# Altium PCB OnePiece_Board.PcbDoc (part 1 of 2)
Units mm, origin at the board's own origin, x right, y up, seen from the top; angles counter-clockwise.
Board outline 95.12 x 76.58 mm, 2 copper layers (Top Layer, Bottom Layer); 79 components, 112 nets, 380 pads, 690 vias.
Unrouted connection lines stored in the file: 1.
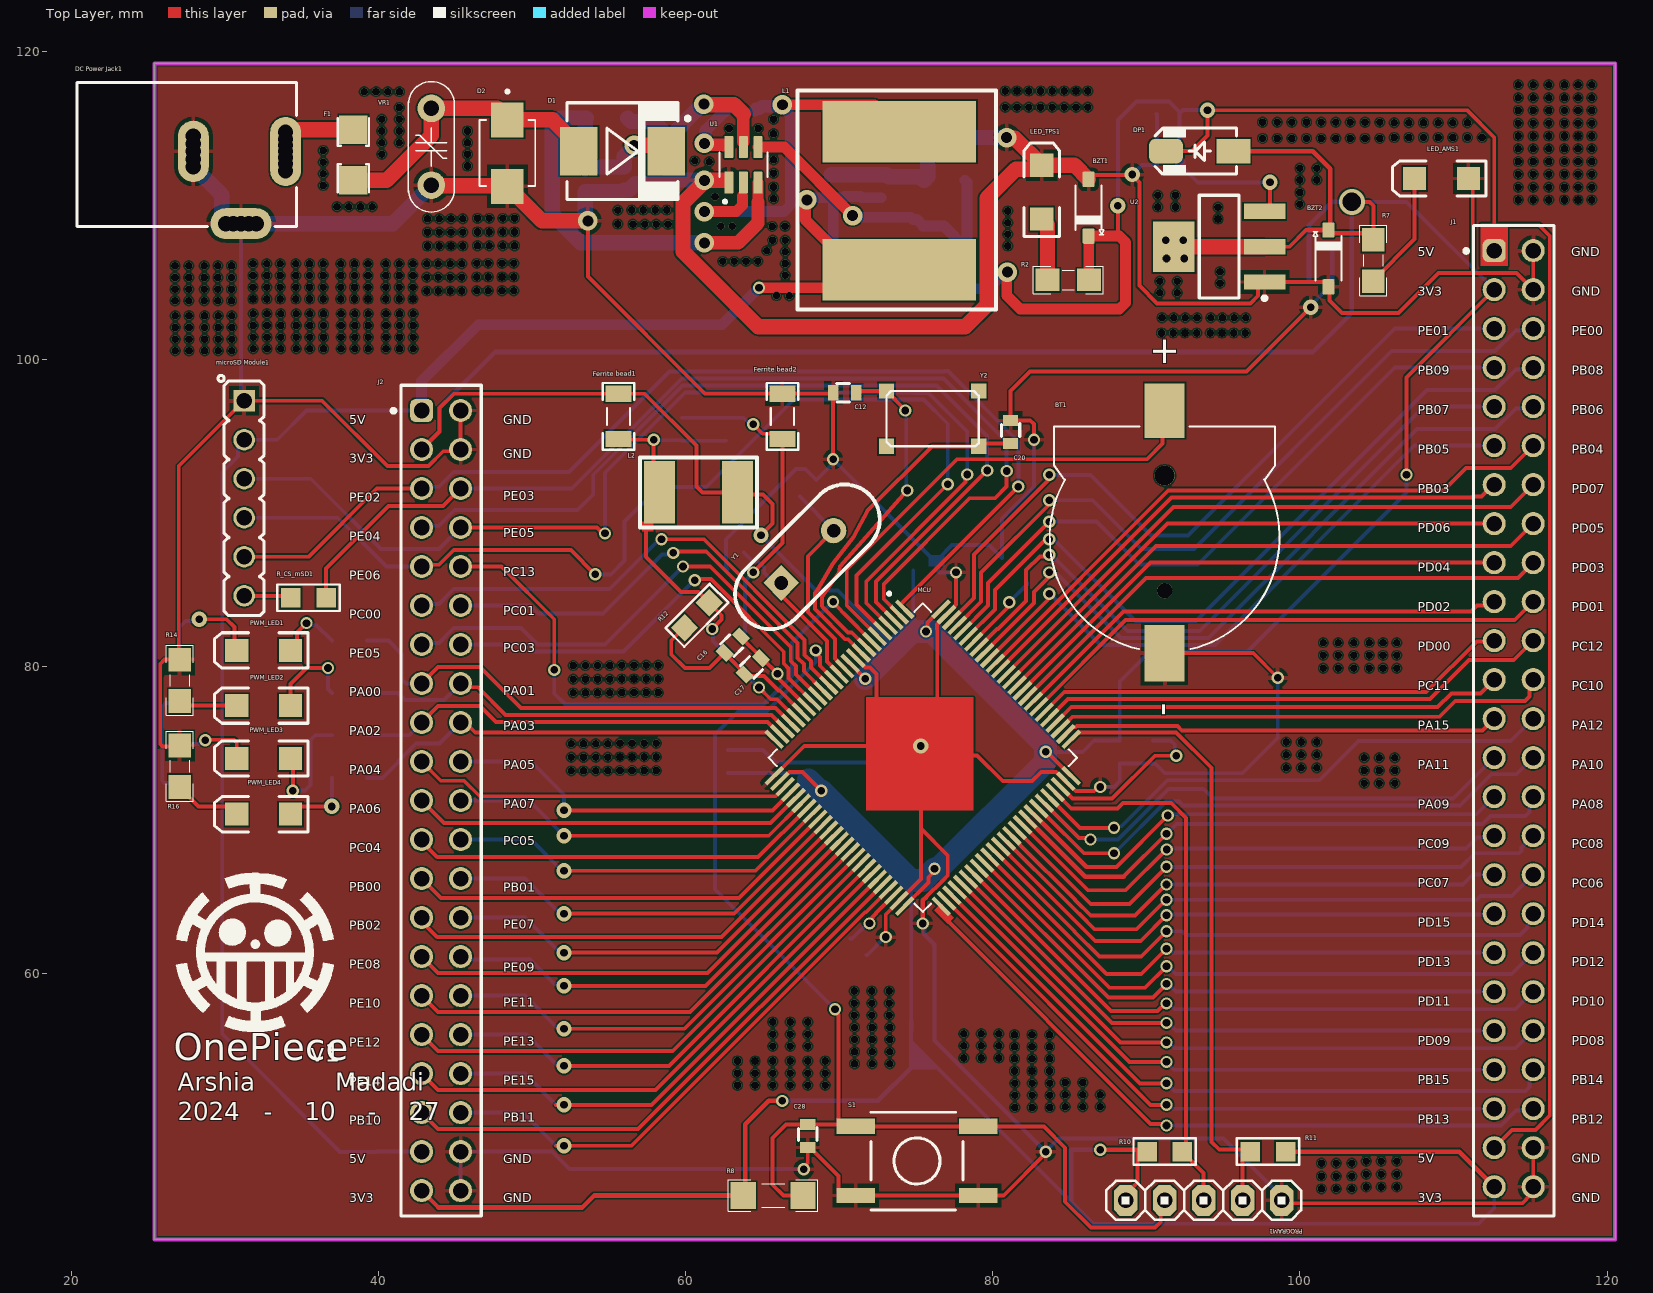
[diagram p0: Top Layer view]
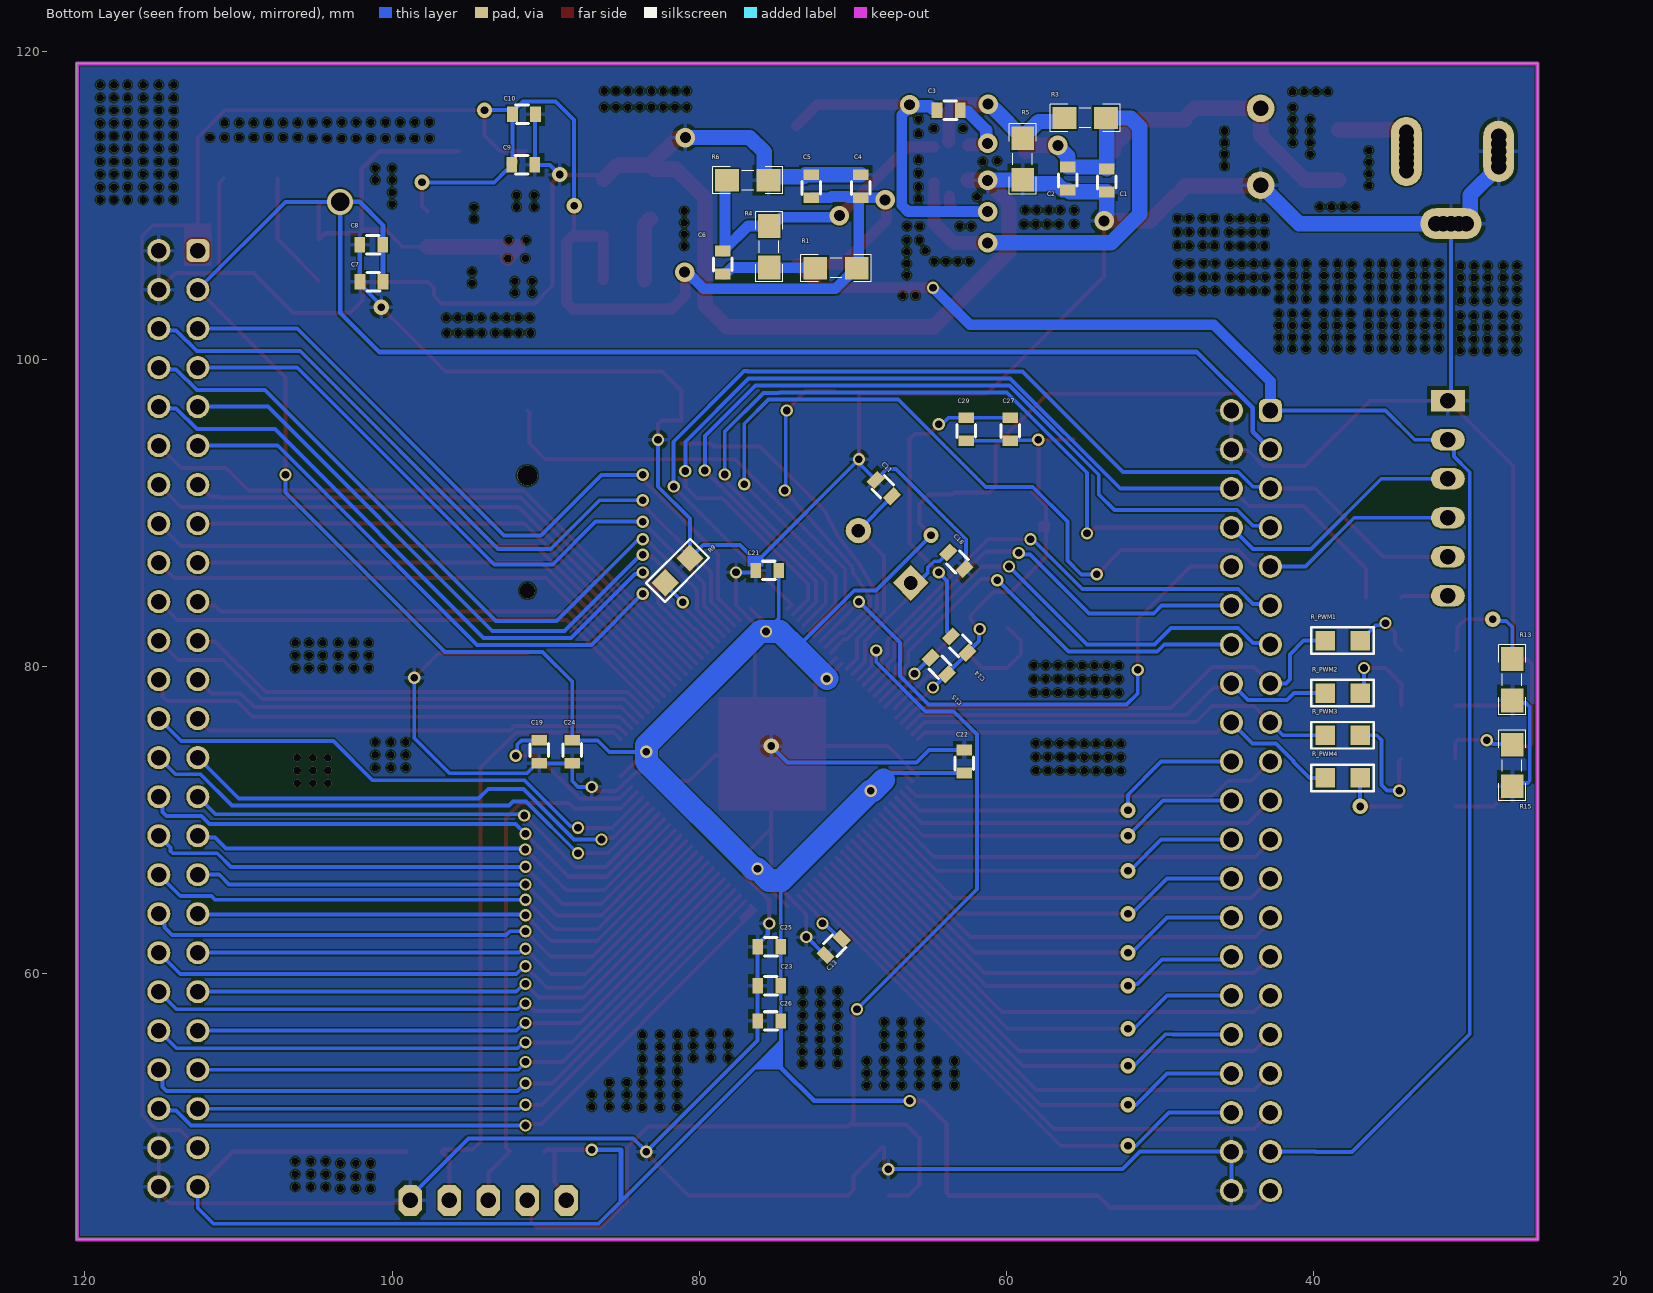
[diagram p1: Bottom Layer view, seen from below]

## Layer stack, top to bottom
Top Solder: solder mask 0.0102, Solder Resist, Dk 3.5
Top Layer: signal copper 0.0356
Dielectric 1: dielectric 0.32, FR-4, Dk 4.8
Bottom Layer: signal copper 0.0356
Bottom Solder: solder mask 0.0102, Solder Resist, Dk 3.5

## Board outline
25.4,42.672 25.4,119.253 120.523,119.253 120.523,42.672

## Design rules (kind name [scope] priority, off if disabled: settings)
Clearance [All] p1: gap=0.1 ignorepadtopadclearanceinfootprint=FALSE
PolygonConnect [All] p1: connectstyle=Relief reliefconductorwidth=0.254 reliefentries=4 polygonreliefangle="90 Angle" airgapwidth=0.254
RoutingVias [All] p1: holewidth=0.5 width=0.8 viastyle="Through Hole" minholewidth=0.4 minwidth=0.4 maxholewidth=0.8 maxwidth=2
SolderMaskExpansion [All] p1: expansion=0.102 istentingtop=FALSE
Width [All] p1: maxlimit=2.5 minlimit=0.254 preferedwidth=0.3 minimp=50.000000 maximp=50.000000 favimp=50.000000
30 further rules are at their usual default settings.

## Classes and differential pairs
polygon class PolygonClass_1: GND_L01_P000
component class Power: BZT2 C1 C2 C3 C4 C5 C6 C7 C8 C9 C10 D1 D2 "DC Power Jack1" DP1 F1 L1 LED_AMS1 LED_TPS1 R1 R2 R3 R4 R5 R6 R7 U1 U2 VR1
component class MCU_STM32H750VBT6: BT1 C11 C12 C13 C14 C15 C16 C17 C18 C19 C20 C21 C22 C23 C24 C25 C26 C27 C28 C29 "Ferrite bead1" "Ferrite bead2" L2 "microSD Module1" PROGRAM1 PWM_LED1 PWM_LED2 PWM_LED3 PWM_LED4 R8 R9 R10 R11 R12 R13 R14 R15 R16 R_CS_mSD1 R_PWM1 R_PWM2 R_PWM3 R_PWM4 S1 Y1 Y2

## Components (designator, comment, footprint, x,y, rotation, side; value= is the part's Value field where it differs from the comment)
BT1 "BC501SM" BAT_BC501SM 91.186,88.414 r90 top
BZT1 "5.1V" SOD123 86.233,109.855 r90 top value=12V
BZT2 "3.6V" SOD123 101.854,106.553 r270 top value=12V
C1 "10uF" MY_CAP_SMD_0603 53.467,111.633 r90 bottom
C2 "100nF" MY_CAP_SMD_0603 56.007,111.76 r90 bottom
C3 "100nF" MY_CAP_SMD_0603 63.754,116.205 r0 bottom
C4 "22uF" MY_CAP_SMD_0603 69.469,111.252 r90 bottom
C5 "22uF" MY_CAP_SMD_0603 72.711,111.252 r90 bottom
C6 "75pF" MY_CAP_SMD_0603 78.456,106.281 r90 bottom
C7 "22uF" MY_CAP_SMD_0603 101.334,105.029 r0 bottom
C8 "100nF" MY_CAP_SMD_0603 101.346,107.442 r0 bottom
C9 "10uF" MY_CAP_SMD_0603 91.452,112.649 r180 bottom
C10 "100nF" MY_CAP_SMD_0603 91.402,115.951 r180 bottom
C11 "18pF" MY_CAP_SMD_0603 67.967,91.589 r225 bottom
C12 "18pF" MY_CAP_SMD_0603 70.358,97.816 r0 top
C13 "2.2uF" MY_CAP_SMD_0603 71.247,61.722 r315 bottom
C14 "1uF" MY_CAP_SMD_0603 63.065,81.407 r45 bottom
C15 "10nF" MY_CAP_SMD_0603 64.389,80.01 r45 bottom
C16 "1uF" MY_CAP_SMD_0603 63.076,81.407 r45 top
C17 "10nF" MY_CAP_SMD_0603 64.367,79.988 r45 top
C18 "18pF" MY_CAP_SMD_0603 63.246,86.868 r45 bottom
C19 "2.2uF" MY_CAP_SMD_0603 90.424,74.422 r270 bottom
C20 "18pF" MY_CAP_SMD_0603 81.153,95.25 r270 top
C21 "100nF" MY_CAP_SMD_0603 75.565,86.233 r0 bottom
C22 "100nF" MY_CAP_SMD_0603 62.738,73.787 r90 bottom
C23 "100nF" MY_CAP_SMD_0603 75.438,59.182 r0 bottom
C24 "10nF" MY_CAP_SMD_0603 88.265,74.422 r270 bottom
C25 "10nF" MY_CAP_SMD_0603 75.438,61.722 r0 bottom
C26 "10nF" MY_CAP_SMD_0603 75.438,56.896 r0 bottom
C27 "10nF" MY_CAP_SMD_0603 59.743,95.43 r90 bottom
C28 "100nF" MY_CAP_SMD_0603 67.945,49.403 r270 top
C29 "100nF" MY_CAP_SMD_0603 62.611,95.43 r90 bottom
D1 "1n5822" DO-214AB(SMC) 55.88,113.538 r0 top
D2 "SMBJ16A" DIOM4336X265N 48.387,113.417 r270 top
"DC Power Jack1" "DC Power Jack" "DC Power Jack 1" 33.94,114.322 r0 top
DP1 "1N5819" 430X270D 93.472,113.538 r180 top
F1 "F=3.0 A" "1206 FUSE" 38.354,113.284 r270 top
"Ferrite bead1" "Ferrite Bead SMD" FB1206 55.626,96.266 r270 top
"Ferrite bead2" "Ferrite Bead SMD" FB1206 66.294,96.266 r270 top
J1 "61306421821" 61306421821#1 113.919,67.691 r270 top
J2 "61306421821" 61306421821#2 44.069,57.277 r270 top
L1 "15uH" INDUCTOR_SMD_3A 73.629,110.178 r90 top
L2 "10uH" 10UH 60.833,91.313 r180 top
LED_AMS1 "SMD 1206 LED" "LED 1206" 109.22,111.76 r180 top
LED_TPS1 "SMD 1206 LED" "LED 1206" 83.185,110.871 r90 top
MCU "STM32H750VBT6" QFP50P1600X1600X160-100N 75.438,74.041 r315 top (schematic designator U3)
"microSD Module1" "microSD Module" HDR1X6-1 31.242,90.932 r270 top
PROGRAM1 "Header 5" My_1X05 93.726,45.212 r180 top
PWM_LED1 "SMD 1206 LED" "LED 1206" 32.512,81.026 r180 top
PWM_LED2 "SMD 1206 LED" "LED 1206" 32.512,77.432 r180 top
PWM_LED3 "SMD 1206 LED" "LED 1206" 32.512,73.985 r180 top
PWM_LED4 "SMD 1206 LED" "LED 1206" 32.512,70.358 r180 top
R1 "49.9" RESC3413X04N 71.09,105.918 r180 bottom
R2 "330" RESC3413X04N 84.908,105.156 r0 top
R3 "511K" RESC3413X04N 54.864,115.697 r0 bottom
R4 "100K" RESC3413X04N 75.438,107.315 r90 bottom
R5 "105K" RESC3413X04N 58.928,113.03 r270 bottom
R6 "13.3K" RESC3413X04N 76.835,111.641 r180 bottom
R7 "330" RESC3413X04N 104.775,106.422 r90 top
R8 "10K" RESC4817X04N 65.689,45.529 r180 top
R9 "10K" 0805 81.407,86.233 r135 bottom
R10 "10K" 0805 91.186,48.387 r180 top
R11 "10K" 0805 97.917,48.387 r0 top
R12 "22R" 0805 60.73,83.312 r45 top
R13 "330" RESC3413X04N 27.051,79.121 r90 bottom
R14 "330" RESC3413X04N 27.051,79.074 r270 top
R15 "330" RESC3413X04N 27.051,73.533 r90 bottom
R16 "330" RESC3413X04N 27.051,73.486 r270 top
R_CS_mSD1 "0" 0805 35.433,84.455 r180 top
R_PWM1 "0" 0805 38.1,81.661 r180 bottom
R_PWM2 "0" 0805 38.1,78.25 r180 bottom
R_PWM3 "0" 0805 38.1,75.498 r180 bottom
R_PWM4 "0" 0805 38.1,72.723 r180 bottom
S1 "Switch PB" SW-PB 75.057,47.779 r0 top
U1 "TPS54202HDDCR" SOT95P280X110-6N 63.754,112.649 r90 top (schematic designator U?)
U2 "AMS1117" SOT223_M 94.742,107.315 r180 top
VR1 "7D270K" "07D XXX" 43.434,113.822 r270 top value=xxDxxx
Y1 "24Mhz" Crystal 67.922,87.122 r45 top
Y2 "ABS25-32.768KHZ-T" "MY_CRYSTAL_SMD 6 X 3.3" 76.073,96.114 r0 top

## Footprints (in the part's own frame and the unit in brackets; to place one, negate y for a bottom-side part, rotate by r counter-clockwise, add the part's x,y. Pads: shape width x height; smd on the part's side, far side on the other; paste and mask are expansions set on the pad)
"07D XXX" [mm] "MOV-07DxxxK Metal Oxide Varistors (MOVs) are 7 mm-Design:Abbas Basereh"
  round 1.8 hole 1: 1(2.5,0) 2(-2.5,0)
  silkscreen extent -4.25,-1.5 4.25,1.5, body extent -4,-1.26 4,1.25, height 11
10UH [mil] "Inductor Smd"
  rect 80x160 smd: 1(-100,0) 2(100,0)
  silkscreen extent -150,-90 150,90, body extent -89,-60 89,66, height 126
430X270D [mm] "SMA Molded Diode, 2-Leads, Body 4.3x2.7mm"
  rect 2.2x1.6 smd: 1(-2.2,0)
  rrect50% 2.2x1.6 smd: 2(2.2,0)
  silkscreen extent -2.4,-1.5 2.9,1.5, body extent -2.75,-1.4 2.75,1.4, height 2.6
0805 [mil]
  rect 50x50 smd: 1(-45,0) 2(45,0)
  silkscreen extent -80,-34 80,34, body extent -58,-28 60,27, height 21
"1206 FUSE" [mm] "Fast Acting Smd 1206 non-Resettable Fuse Chip For Pcb Board-Design:Abbas Basereh"
  rect 1.85x1.85 smd: 1(-1.65,0) 2(1.65,0)
  silkscreen extent -2.41,-1.02 2.41,1.02, body extent -1.6,-0.8 1.6,0.8, height 1
61306421821#1 [mm] "Socket Header, Pitch 2.54 mm, THT, Vertical, dual row, 64p"
  rrect50% 1.5x1.5 hole 1.02: 1(-39.37,-1.27)
  round 1.5 hole 1.02: 2(-39.37,1.27) 3(-36.83,-1.27) 4(-36.83,1.27) 5(-34.29,-1.27) 6(-34.29,1.27) 7(-31.75,-1.27) 8(-31.75,1.27) 9(-29.21,-1.27) 10(-29.21,1.27) 11(-26.67,-1.27) 12(-26.67,1.27) 13(-24.13,-1.27) 14(-24.13,1.27) 15(-21.59,-1.27) 16(-21.59,1.27) 17(-19.05,-1.27) 18(-19.05,1.27) 19(-16.51,-1.27) 20(-16.51,1.27) 21(-13.97,-1.27) 22(-13.97,1.27) 23(-11.43,-1.27) 24(-11.43,1.27) 25(-8.89,-1.27) 26(-8.89,1.27) 27(-6.35,-1.27) 28(-6.35,1.27) 29(-3.81,-1.27) 30(-3.81,1.27) 31(-1.27,-1.27) 32(-1.27,1.27) 33(1.27,-1.27) 34(1.27,1.27) 35(3.81,-1.27) 36(3.81,1.27) 37(6.35,-1.27) 38(6.35,1.27) 39(8.89,-1.27) 40(8.89,1.27) 41(11.43,-1.27) 42(11.43,1.27) 43(13.97,-1.27) 44(13.97,1.27) 45(16.51,-1.27) 46(16.51,1.27) 47(19.05,-1.27) 48(19.05,1.27) 49(21.59,-1.27) 50(21.59,1.27)
  silkscreen extent -41.02,-3.22 23.49,2.62
61306421821#2 [mm] "Socket Header, Pitch 2.54 mm, THT, Vertical, dual row, 64p"
  rrect50% 1.5x1.5 hole 1.02: 1(-39.37,-1.27)
  round 1.5 hole 1.02: 2(-39.37,1.27) 3(-36.83,-1.27) 4(-36.83,1.27) 5(-34.29,-1.27) 6(-34.29,1.27) 7(-31.75,-1.27) 8(-31.75,1.27) 9(-29.21,-1.27) 10(-29.21,1.27) 11(-26.67,-1.27) 12(-26.67,1.27) 13(-24.13,-1.27) 14(-24.13,1.27) 15(-21.59,-1.27) 16(-21.59,1.27) 17(-19.05,-1.27) 18(-19.05,1.27) 19(-16.51,-1.27) 20(-16.51,1.27) 21(-13.97,-1.27) 22(-13.97,1.27) 23(-11.43,-1.27) 24(-11.43,1.27) 25(-8.89,-1.27) 26(-8.89,1.27) 27(-6.35,-1.27) 28(-6.35,1.27) 29(-3.81,-1.27) 30(-3.81,1.27) 31(-1.27,-1.27) 32(-1.27,1.27) 33(1.27,-1.27) 34(1.27,1.27) 35(3.81,-1.27) 36(3.81,1.27) 37(6.35,-1.27) 38(6.35,1.27) 39(8.89,-1.27) 40(8.89,1.27) 41(11.43,-1.27) 42(11.43,1.27)
  silkscreen extent -41.02,-3.22 13.08,2.62
BAT_BC501SM [mm]
  rect 3.66x2.6 smd: N(-7.57,0)
  rect 3.54x2.6 smd: P(8.23,0)
  round 1 hole 1 unplated: ""(-3.5,0)
  round 1.3 hole 1.3 unplated: ""(4,0)
  silkscreen extent -7.31,-7.48 7.18,7.48, body extent -8.5,-7.49 9.5,7.49, height 4
Crystal [mil] "16 Mhz Crystal footprint"
  rect 65x65 hole 35: 1(-95,0)
  round 65 hole 35: 2(95,0)
  silkscreen extent -225,-90 225,90, body extent -220,-89 220,95, height 143
"DC Power Jack 1" [mm] "Power Adaptor Jack"
  round 1.5 hole 1: 1(0,-2.05) 1(0,-1.6) 1(0,-1.2) 1(0,-0.4) 1(0,0) 1(0,0.45) 2(-6,-1.8) 2(-6,0.2) 2(-6,-1.3) 2(-6,-0.3) 3(-3.9,-5.5) 3(-3.4,-5.5) 3(-2.4,-5.5) 3(-1.9,-5.5)
  oval 2x4.5 hole 1: 1(0,-0.8)
  oval 2x4 hole 1: 2(-6,-0.8)
  oval 4x2 hole 1: 3(-2.9,-5.5)
  silkscreen extent -13.59,-5.7 0.7,3.7, body extent -13.68,-5.74 0.72,3.66, height 11.05
DIOM4336X265N [mm]
  rect 2.28x2.12 smd: A(2.165,0) C(-2.165,0)
  silkscreen extent -4.1,-1.81 2.16,1.81, body extent -2.68,-1.81 2.68,1.81, height 2.65
DO-214AB(SMC) [mm] "Molded Diode, 2-Leads, Body 6/85x5/90mm, IPC Medium Density DESIGNER ABBAS BASEREH"
  rect 2.45x3.15 smd: 1(-2.85,0) 2(2.85,0)
  silkscreen extent -3.6,-3.2 4.38,3.15, body extent -3.77,-3.11 3.77,3.11, height 2.62
FB1206 [mm] "Ferrite Chip Bead SMD 1206-Design:Ali Hafizi"
  rect 1.05x1.7 smd: 1(-1.475,0) 2(1.475,0)
  silkscreen extent -2.17,-1.02 2.18,1.02, body extent -1.59,-0.8 1.61,0.8, height 1.1
HDR1X6-1 [mm] "Header /Jumper box-Designer Abbas Basereh"
  rect 1.4x1.4 / inner rect 1.4x1.4 / far side rect 1.4x2.2 hole 1 mask+0.1: 1(-6.35,0)
  round 1.4 / inner round 1.4 / far side oval 1.4x2.2 hole 1 mask+0.1: 2(-3.81,0) 3(-1.27,0) 4(1.27,0) 5(3.81,0) 6(6.35,0)
  silkscreen extent -8.01,-1.7 7.64,1.3, body extent -7.63,-1.46 7.61,1.46, height 8.61
INDUCTOR_SMD_3A [mm]
  rect 4x10 smd: 1(4.63,-0.285) 2(-4.37,-0.285)
  silkscreen extent -6.94,-6.58 7.3,6.34, body extent -6.36,-6.39 6.14,6.11, height 7.51
"LED 1206" [mm]
  rect 1.5x1.5 smd: 1(-1.75,0) 2(1.75,0)
  silkscreen extent -2.9,-1.15 3.2,1.15, body extent -1.65,-0.72 1.65,0.73, height 1.36
My_1X05 [mil]
  oct 60x80 hole 40: 1(-200,0) 2(-100,0) 3(0,0) 4(100,0) 5(200,0)
  silkscreen extent -250,-50 250,50, body extent -250,-59 250,56, height 335
MY_CAP_SMD_0603 [mm]
  rect 0.7x1 smd: 1(-0.75,0) 2(0.75,0)
  silkscreen extent -0.55,-0.6 0.3,0.6, body extent -1.29,-0.52 1.31,0.48, height 0.89
"MY_CRYSTAL_SMD 6 X 3.3" [mm]
  rect 1x1 smd: 1(-3,-1.8) 2(3,-1.8) 3(3,1.8) 4(-3,1.8)
  silkscreen extent -3,-1.8 3,1.8, body extent -3,-1.8 3,1.8, height 1.21
QFP50P1600X1600X160-100N [mm]
  rrect7% 1.56x0.28 smd: 1(-7.68,6) 2(-7.68,5.5) 3(-7.68,5) 4(-7.68,4.5) 5(-7.68,4) 6(-7.68,3.5) 7(-7.68,3) 8(-7.68,2.5) 9(-7.68,2) 10(-7.68,1.5) 11(-7.68,1) 12(-7.68,0.5) 13(-7.68,0) 14(-7.68,-0.5) 15(-7.68,-1) 16(-7.68,-1.5) 17(-7.68,-2) 18(-7.68,-2.5) 19(-7.68,-3) 20(-7.68,-3.5) 21(-7.68,-4) 22(-7.68,-4.5) 23(-7.68,-5) 24(-7.68,-5.5) 25(-7.68,-6) 51(7.68,-6) 52(7.68,-5.5) 53(7.68,-5) 54(7.68,-4.5) 55(7.68,-4) 56(7.68,-3.5) 57(7.68,-3) 58(7.68,-2.5) 59(7.68,-2) 60(7.68,-1.5) 61(7.68,-1) 62(7.68,-0.5) 63(7.68,0) 64(7.68,0.5) 65(7.68,1) 66(7.68,1.5) 67(7.68,2) 68(7.68,2.5) 69(7.68,3) 70(7.68,3.5) 71(7.68,4) 72(7.68,4.5) 73(7.68,5) 74(7.68,5.5) 75(7.68,6)
  rrect7% 0.28x1.56 smd: 26(-6,-7.68) 27(-5.5,-7.68) 28(-5,-7.68) 29(-4.5,-7.68) 30(-4,-7.68) 31(-3.5,-7.68) 32(-3,-7.68) 33(-2.5,-7.68) 34(-2,-7.68) 35(-1.5,-7.68) 36(-1,-7.68) 37(-0.5,-7.68) 38(0,-7.68) 39(0.5,-7.68) 40(1,-7.68) 41(1.5,-7.68) 42(2,-7.68) 43(2.5,-7.68) 44(3,-7.68) 45(3.5,-7.68) 46(4,-7.68) 47(4.5,-7.68) 48(5,-7.68) 49(5.5,-7.68) 50(6,-7.68) 76(6,7.68) 77(5.5,7.68) 78(5,7.68) 79(4.5,7.68) 80(4,7.68) 81(3.5,7.68) 82(3,7.68) 83(2.5,7.68) 84(2,7.68) 85(1.5,7.68) 86(1,7.68) 87(0.5,7.68) 88(0,7.68) 89(-0.5,7.68) 90(-1,7.68) 91(-1.5,7.68) 92(-2,7.68) 93(-2.5,7.68) 94(-3,7.68) 95(-3.5,7.68) 96(-4,7.68) 97(-4.5,7.68) 98(-5,7.68) 99(-5.5,7.68) 100(-6,7.68)
  silkscreen extent -9.2,-7.1 7.1,7.1, body extent -8,-8 8,8, height 0.72
RESC3413X04N [mm] "Chip Resistor, 2-Leads, Body 3/40x1/30mm, IPC Medium Density-Design:Abbas Basereh"
  rect 1.55x1.45 smd: 1(-1.35,0) 2(1.35,0)
  silkscreen extent -2.29,-0.89 2.29,0.89, body extent -1.25,-0.62 1.25,0.62, height 0.79
RESC4817X04N [mm] "Chip Resistor, 2-Leads, Body 4/80x1/70mm, IPC Medium Density-Design:Abbas Basereh"
  rect 1.65x1.75 smd: 1(-1.95,0) 2(1.95,0)
  silkscreen extent -2.92,-1.02 2.92,1.02, body extent -1.6,-0.8 1.6,0.8, height 1
SOD123 [mm] "SOD-123; 2 Leads; Body 2.7 x 1.6 mm, (LxW)"
  round 0.508 on Mech15: 0(0,0)
  rrect25% 1x0.8 smd: 1(1.85,0) 2(-1.85,0)
  silkscreen extent -1.75,-1 1.45,0.85, body extent -1.85,-0.8 1.85,0.8, height 1.25
SOT95P280X110-6N [mm]
  rrect25% 1.45x0.59 smd: 1(-1.155,0.95) 2(-1.155,0) 3(-1.155,-0.95) 4(1.155,-0.95) 5(1.155,0) 6(1.155,0.95)
  silkscreen extent -2.5,-1.57 0.8,1.57, body extent -1.4,-1.45 1.4,1.45, height 1.1
SOT223_M [mm] "SOT223, 4-Leads, Body 6.5x3.5mm, Pitch 2.3mm, Lead Span 7mm, IPC Low Density"
  rect 2.7x1 smd: 1(-2.95,2.3) 2(-2.95,0) 3(-2.95,-2.3)
  rect 2.7x3.3 smd: 4(2.95,0)
  silkscreen extent -3.08,-3.35 1.3,3.47, body extent -3.49,-3.24 3.49,3.24, height 1.64
SW-PB [mm]
  rect 2.5x1 smd: 1(-3.992,2.25) 1(3.992,2.25) 2(-3.992,-2.25) 2(3.992,-2.25)
  silkscreen extent -3,-3.2 3,3.17, body extent -4.5,-3 4.5,3, height 5

## Part data
BT1: "BATTERY HOLDER COIN 12MM SMD", Package=None, Availability=Unavailable, Check_prices=https://www.snapeda.com/parts/BC501SM/MPD/view-part/?ref=eda, MF=MPD, MP=BC501SM, Price=None, SnapEDA_Link=https://www.snapeda.com/parts/BC501SM/MPD/view-part/?ref=snap
BZT1 BZT2: library part "ZENER GENERAL DIODE", "DIODE ZENER GENERAL", ComponentLink1Description="Manufacturer Link", ComponentLink2Description=Datasheet, PackageDescription="DIODE GEN ZENER", PackageReference="DO 35", PackageVersion=2017-1-12, Published=2017-1-12, Publisher="Abbas Basereh"
C1 C2 C3 C4 C5 C6 C7 C8 C9 C10 C11 C12 C13 C14 C15 C16 C17 C18 C19 C20 C21 C22 C23 C24 C25 C26 C27 C28 C29: library part "CAP SMD_0603", "CAP SMD_0603"
D1: library part "1N5822 SMD", "Schottky Rectifiers", Manufacturer="ON Semiconductor/Fairchild", Data=16-12-2016, Designer="Abbas Basereh", Link=https://www.aliexpress.com/item/Free-shipping-100pcs-1n5822-sma-smd-do-214ac-Schottky-diode-ss34/32337482329.html?spm=2114.01010208.3.1.zLZDsP&ws_ab_test=searchweb0_0,searchweb201602_4_10065_10068_10084_10083_10080_10082_10081_10060_10061_10062_10056_10055_10054_10059_10099_10078_10079_427_10073_10103_10102_10096_10052_10050_10051,searchweb201603_4&btsid=6e50dc92-ac69-45bc-a19e-209af19ce602, Part. No=SS34
D2: "600W, 18.8V, 5%, Unidirectional, TVS", Package="SMD-2-2 Avago", Availability="In Stock", Check_prices=https://www.snapeda.com/parts/SMBJ16A/Taiwan+Semiconductor/view-part/?ref=eda, MF="Taiwan Semiconductor", MP=SMBJ16A, Price=None, Purchase-URL=https://pricing.snapeda.com/search/part/SMBJ16A/?ref=eda, SnapEDA_Link=https://www.snapeda.com/parts/SMBJ16A/Taiwan+Semiconductor/view-part/?ref=snap
"DC Power Jack1": "DC Power Jack. Center Pin 2.5mm. Diameter: 5.7mm", Adding Date=10/21/2009, Company=Personal, Designer="Ali Hafizi", Project Name=Laser
DP1: "Schottkey Rectifiers", Data=16-12-2016, Designer="Abbas Basereh"
F1: library part "Fuse SMD1206", "SMD Fuses 1206", Data=16-12-2016, Desc.="SMD Fuses 1206", Designer="Abbas Basereh"
"Ferrite bead1" "Ferrite bead2": library part "Ferrite Bead SMD Package", Designer="Ali Hafizi"
J1 J2: "WR-PHD Socket Header, THT, Vertical, pitch 2.54mm, 2 Row, 64P", Contact Resistance=20mOhm, Manufacturer="Wurth Elektronik", Operating Temperature Max=125°C, Operating Temperature Min=-40°C, Rated Current=3A, Withstanding Voltage=500V, Working Voltage=250V, Category="Board-to-Board Connectors", ComponentLink1Description="Website Link", ComponentLink1URL=https://www.we-online.com/redexpert/article/61306421821?ad, ComponentLink2Description="Datasheet Link", ComponentLink2URL=https://www.we-online.com/redexpert/spec/61306421821?ad, Gender="Socket Header", Manufacturer Part Number=61306421821, Match Code=WR-PHD, Mount="Through Hole", Number of Pins=64, Number of Rows=2, Orientation=Vertical, Packaging=Tray, Pitch=2.54mm
L1: library part INDUCTOR_SMD_3A, "INDUCTOR_SMD_3A"
L2: library part Inductor_B, "Inductor", Code_IEC=1005, Code_JEITA=0402, LatestRevisionDate=17-Jul-2002, LatestRevisionNote="Re-released for DXP Platform.", PackageReference=0402-A, Published=8-Jun-2000, Publisher="Altium Limited"
LED_AMS1 LED_TPS1 PWM_LED1 PWM_LED2 PWM_LED3 PWM_LED4: library part "LED SMD 1206"
MCU: "ARMÂ® CortexÂ®-M7 STM32H7 Microcontroller IC 32-Bit Single-Core 480MHz 128KB (128K x 8) FLASH 100-LQFP (14x14)", Package="LQFP-100 STMicroelectronics", Availability="In Stock", Check_prices=https://www.snapeda.com/parts/STM32H750VBT6/STMicroelectronics/view-part/?ref=eda, MF=STMicroelectronics, MP=STM32H750VBT6, Price=None, Purchase-URL=https://pricing.snapeda.com/search/part/STM32H750VBT6/?ref=eda, SnapEDA_Link=https://www.snapeda.com/parts/STM32H750VBT6/STMicroelectronics/view-part/?ref=snap
"microSD Module1": library part "Header 6", "Header, 6-Pin", LatestRevisionDate=17-Jul-2002, LatestRevisionNote="Re-released for DXP Platform.", Publisher="Altium Limited"
PROGRAM1: "Header, 5-Pin", LatestRevisionDate=17-Jul-2002, LatestRevisionNote="Re-released for DXP Platform.", Publisher="Altium Limited"
R1 R2 R3 R4 R5 R6 R7 R13 R14 R15 R16: library part "RES 0805 0.125W", "RES 0805", Data=16-12-2016, Desc.="RES SMD 0805", Designer="Abbas Basereh"
R8: library part "RES 1206 0.25W", "RES 1206", Data=16-12-2016, Desc.="RES SMD 1206", Designer="Abbas Basereh"
R9 R10 R11 R12 R_CS_mSD1 R_PWM1 R_PWM2 R_PWM3 R_PWM4: library part Res, "Resistor", LatestRevisionDate=17-Jul-2002, LatestRevisionNote="Re-released for DXP Platform.", PackageReference=AXIAL-0.3, Published=8-Jun-2000, Publisher="Altium Limited"
S1: "Push Button Switch"
U1: "4.5V to 28V Input, 2A Output, Synchronous Step-Down Voltage Converter 6-SOT-23-THIN -40 to 125", Package="SOT-23-THN-6 Texas Instruments", Availability=Good, Check_prices=https://www.snapeda.com/parts/TPS54202HDDCR/Texas%20Instruments/view-part/573706/?ref=eda, MF="Texas Instruments", MP=TPS54202HDDCR, Price=None, Purchase-URL=https://pricing.snapeda.com/search/part/TPS54202HDDCR/?ref=eda, SnapEDA_Link=https://www.snapeda.com/parts/TPS54202HDDCR/Texas%20Instruments/view-part/573706/?ref=snap
U2: library part AMS1117-x.x, "x.x Volt, 800mA Low-Dropout Linear Regulator, 4-pin SOT-223", Data=16-12-2016, Designer="Ali Hafizi"
VR1: library part "VARISTOR (VDR)", "VARISTORS", Manufacturer=china-canada-philipina, Data=2017-1-5, Designer="Abbas Basereh", Link=digikey.com, Models=MOV-VDR-COV, Publisher="ABBAS BASEREH"
Y1: library part XTAL, "Crystal Oscillator", LatestRevisionDate=17-Jul-2002, LatestRevisionNote="Re-released for DXP Platform.", PackageReference=R38, Published=8-Jun-2000, Publisher="Altium Limited"
Y2: library part CRYSTAL_SMD-6X3.3, "Crystal"

## Via types
v1: diameter 0.5, hole 0.5, Top Layer to Bottom Layer, 582 vias
v2: diameter 0.8, hole 0.5, Top Layer to Bottom Layer, 76 vias
v3: diameter 1, hole 0.5, Top Layer to Bottom Layer, 19 vias
v4: diameter 1.27, hole 0.711, Top Layer to Bottom Layer, 12 vias
v5: diameter 1.7, hole 1.2, Top Layer to Bottom Layer, 1 vias

## Nets (pads, with @x,y where several pads share a name; then routed paths per layer and width w, separated by ;. In a path a pad name is that pad's centre, name@x,y a point inside that pad or via, vN(x,y) a via of type N, cw(c..) or ccw(c..) an arc to the next point about the centre after c; other vN are vias at no path point)
3V3: "Ferrite bead1.1" BZT2.2 C7.1 C8.1 C21.1 C22.1 C23.1 C24.1 C25.1 C26.1 DP1.1 J1.3 J1.49 J2.3 J2.41 L2.1 MCU.11 MCU.27 MCU.50 MCU.75 MCU.100 PROGRAM1.5 R7.2 R8.2 R10.2 R11.2 U2.2 U2.4 | length 395.1
  Top Layer w0.254: J2.3@42.799,94.107 43.974,95.282 43.974,96.805 44.91,97.741 55.626,97.741 57.326,97.741 60.706,94.361 60.706,91.694 61.087,91.313 L2.1@63.373,91.313 63.5,91.186 65.024,91.186 65.659,90.551 65.659,89.281 v3(64.897,88.519) ; MCU.27@66.118,72.5 66.137,72.5 66.757,73.119 67.597,73.119 v2(68.834,71.882) ; MCU.11@70.715,80.179 70.715,80.169 71.686,79.197 v2(71.686,79.187) ; MCU.50@74.25,64.368 75.8,65.918 75.8,66.254 76.2,66.654 v2(76.2,66.802) ; v2(75.65,82.259) 75.754,82.363 75.754,82.842 MCU.100@76.626,83.714 ; v2(83.439,74.422) 83.524,74.422 85.093,72.853 MCU.75@85.111,72.853 ; PROGRAM1.5@88.646,45.212 88.646,45.624 89.408,46.386 89.408,48.387 R10.2@89.535,48.514 ; U2.2@97.692,107.315 99.314,107.315 100.402,108.403 100.584,108.403 ; v5(103.378,110.236) 104.521,110.236 104.775,109.982 R7.2@104.775,108.331 ; v2(106.934,92.456) 106.934,98.806 J1.3@112.649,104.521
  Top Layer w0.3: J2.41@42.799,45.847 43.899,44.747 53.253,44.747 54.035,45.529 R8.2@63.739,45.529 63.881,45.671 63.881,50.165 65.405,51.689 v2(66.294,51.689) ; v2(86.995,48.514) 89.535,48.514 89.916,48.514 R10.2@90.043,48.387 ; DP1.1@95.672,113.538 100.838,113.538 101.981,112.395 101.981,108.53 BZT2.2@101.854,108.403 ; R11.2@99.06,48.387 110.363,48.387 J1.49@112.649,46.101 ; 100.584,108.403 BZT2.2@101.854,108.403 ; R7.2@104.775,107.772 104.343,108.204 102.053,108.204 BZT2.2@101.854,108.403 ; R7.2@104.775,107.822 R7.2@104.775,108.331
  Top Layer w1: v1(92.456,106.553) 92.456,106.651 U2.4@91.792,107.315 U2.2@97.692,107.315
  Bottom Layer w0.254: C22.1@62.738,73.037 67.552,73.037 68.008,72.581 ; v3(64.897,88.519) 68.488,84.928 69.897,84.928 73.647,81.178 73.647,81.166 ; 74.66,66.056 74.688,66.028 C25.1@74.688,61.722 C23.1@74.688,59.182 C26.1@74.688,56.896 ; 74.676,56.261 74.676,55.562 85.09,45.148 86.55,43.688 111.633,43.688 112.649,44.704 J1.49@112.649,46.101 ; C21.1@74.815,86.233 74.815,83.093 v2(75.65,82.259) ; v2(83.439,74.422) 85.852,74.422 86.602,75.172 C24.1@88.265,75.172 88.265,78.994 90.205,80.934 96.555,80.934 106.934,91.313 v2(106.934,92.456) ; v5(103.378,110.236) 106.934,110.236 J1.3@112.649,104.521
  Bottom Layer w0.3: J2.3@42.799,94.107 43.956,95.264 43.956,96.82 47.593,100.457 100.838,100.457 103.378,102.997 v5(103.378,110.236) 102.108,110.236 100.59,108.718 100.59,105.035 C7.1@100.584,105.029 ; v2(66.294,51.689) 72.517,51.689 74.676,53.848 74.676,55.245 ; 74.676,56.261 C26.1@74.676,56.884 ; 85.09,45.148 85.09,48.514 v2(86.995,48.514)
  Bottom Layer w1.5: 68.008,72.581 68.707,71.882 v2(68.834,71.882) 74.66,66.056 75.454,66.056 v2(76.2,66.802) 76.454,66.802 83.439,73.787 v2(83.439,74.422) 83.439,74.836 76.016,82.259 v2(75.65,82.259) 74.741,82.259 73.647,81.166 v2@71.688,79.206
  other v1: 91.313,106.553 91.253,107.741 92.396,107.741
5_SW: "microSD Module1.2" BZT1.2 C4.1 C5.1 C9.1 C10.1 DP1.2 J1.1 J1.47 J2.1 J2.39 L1.2 R1.2 R2.2 U2.3 | length 276.5
  Top Layer w0.254: 88.138,108.005 v3(88.138,109.982) ; v3(93.98,116.205) 110.871,116.205 112.649,114.427 112.649,108.077 ; U2.3@97.692,109.615 98.044,109.967 v3(98.044,111.506) ; J1.47@112.649,48.641 113.815,49.807 115.338,49.807 116.266,50.735 116.266,108.016 115.57,108.712 113.284,108.712 112.649,108.077 ; J1.1@112.649,107.061 112.649,108.077
  Top Layer w0.26: DP1.2@91.272,113.538 92.964,113.538 93.98,114.554 v3(93.98,116.205)
  Top Layer w0.7: v2(64.77,104.648) 72.119,104.648 73.66,106.189 70.66,106.189 67.8,109.049 67.8,110.276 v4(67.887,110.363) ; v4(80.949,105.664) 80.899,105.614 80.899,104.14 81.788,103.251 88.236,103.251 88.646,103.661 88.646,107.595 88.236,108.005 BZT1.2@86.233,108.005 ; BZT1.2@86.246,107.892 86.246,105.169 R2.2@86.258,105.156
  Bottom Layer w0.254: J2.39@42.799,48.387 39.866,48.387 39.844,48.365 37.487,48.365 29.815,56.037 29.815,92.627 30.849,93.661 30.849,94.349 31.242,94.742 33.401,94.742 35.306,96.647 J2.1@42.799,96.647 ; v3(88.138,109.982) 88.138,115.57 89.346,116.778 91.475,116.778 92.158,116.095 C10.1@92.262,116.095 ; C9.1@92.202,112.649 92.202,112.499 92.425,112.276 92.575,112.276 93.345,111.506 v3(98.044,111.506)
  Bottom Layer w0.26: C9.1@92.152,112.849 C10.1@92.152,115.951 C10.1@92.152,115.985 ; C10.1@92.262,116.095 92.372,116.205 v3(93.98,116.205)
  Bottom Layer w0.7: J2.1@42.799,96.647 42.799,98.552 46.482,102.235 62.357,102.235 v2(64.77,104.648) ; v4(67.887,110.363) 68.041,110.363 68.18,110.502 C4.1@69.605,110.502 ; C5.1@72.711,110.502 71.463,110.502 71.379,110.586 70.353,110.586 70.269,110.502 C4.1@69.605,110.502 ; v4(80.949,105.664) 80.795,105.664 79.708,104.577 71.131,104.577 69.79,105.918 R1.2@69.74,105.918 69.605,106.054 C4.1@69.605,110.502 ; C9.1@92.152,112.849 92.202,112.799 C9.1@92.202,112.649
  other v1: 66.743,104.123 65.913,104.14
12V_IN: "DC Power Jack1.1" F1.1 | length 5.6
  Top Layer w1: 33.94,113.522 33.94,113.922 33.94,114.322 33.94,114.472 34.402,114.934 F1.1@38.354,114.934
BOOT0: MCU.94 R9.1 | length 5.3
  Top Layer w0.254: MCU.94@78.747,81.593 80.958,83.804 80.958,84.06 v2(81.063,84.164)
  Bottom Layer w0.254: v2(81.063,84.164) 82.215,85.317 R9.1@82.215,85.425
GND: "DC Power Jack1.2" "DC Power Jack1.3" "Ferrite bead2.1" "microSD Module1.1" BT1.N BZT1.1 BZT2.1 C1.1 C2.1 C4.2 C5.2 C7.2 C8.2 C9.2 C10.2 C11.1 C12.1 C13.2 C18.1 C19.2 C20.1 C21.2 C22.2 C23.2 C24.2 C25.2 C26.2 C28.2 D2.A J1.2 J1.4 J1.48 J1.50 J2.2 J2.4 J2.40 J2.42 LED_AMS1.1 LED_TPS1.2 MCU.10 MCU.26 MCU.49 MCU.74 MCU.99 PROGRAM1.1 R5.2 R6.2 R9.2 R13.1 R14.1 R15.1 R16.1 S1.2 U1.1 U2.1 VR1.1 | length 520.5
  Top Layer w0.254: R16.1@27.051,74.836 26.996,74.781 25.93,74.781 25.781,74.93 25.781,80.137 26.068,80.424 R14.1@27.051,80.424 26.986,80.489 26.986,93.026 31.242,97.282 36.322,97.282 40.574,93.03 43.245,93.03 44.208,93.993 45.225,93.993 J2.4@45.339,94.107 J2.2@45.339,96.647 ; v4(53.624,108.996) 53.624,105.38 61.263,97.741 66.294,97.741 69.533,97.741 C12.1@69.602,97.81 ; MCU.26@65.765,72.853 67.715,74.803 v3(75.311,74.803) ; v2(67.691,47.244) 67.691,47.392 67.945,47.646 C28.2@67.945,48.653 68.095,48.653 69.942,46.806 69.942,45.902 70.315,45.529 S1.2@71.065,45.529 S1.2@79.049,45.529 80.708,45.529 83.439,48.26 v2(83.439,48.387) ; v2(69.596,93.472) 69.602,93.478 C12.1@69.602,97.81 ; C12.1@69.608,97.816 C12.1@69.602,97.81 ; MCU.10@71.068,80.532 71.086,80.532 71.705,79.914 71.733,79.914 71.735,79.912 71.989,79.912 72.413,79.488 72.413,77.701 v3(75.311,74.803) ; v2(73.025,62.357) 73.025,63.831 74.12,64.927 74.12,64.945 75.311,66.136 75.311,69.428 ; 75.652,64.96 76.741,66.048 77.06,66.368 77.06,67.679 75.311,69.428 ; v2(77.597,86.106) 77.597,84.309 77.599,84.306 77.599,83.999 76.979,83.379 MCU.99@76.979,83.361 76.979,83.342 76.36,82.722 76.36,82.415 76.377,82.398 76.377,75.869 v3(75.311,74.803) ; v2(82.677,94.742) 82.677,95.758 82.435,96 C20.1@81.153,96 81.153,97.917 82.423,99.187 96.52,99.187 v3(100.711,103.378) ; v2(86.995,72.136) 86.847,72.136 86.591,71.88 85.396,71.88 84.776,72.5 MCU.74@84.758,72.5 84.739,72.5 84.119,73.119 83.152,73.119 82.55,72.517 80.645,72.517 78.972,74.19 75.924,74.19 v3(75.311,74.803) ; BT1.N@91.186,80.844 96.956,80.844 v2(98.552,79.248) ; PROGRAM1.1@98.806,45.212 98.994,45.024 114.493,45.024 114.734,45.265 114.734,45.308 115.189,45.764 J1.50@115.189,46.101 J1.48@115.189,48.641 ; BZT2.1@101.854,104.703 101.918,104.639 101.918,103.822 102.743,102.997 106.426,102.997 109.027,105.598 111.252,105.598 ; LED_AMS1.1@110.97,111.76 111.252,111.478 111.252,105.598 ; J1.2@115.189,107.061 J1.4@115.189,104.521 114.112,105.598 111.252,105.598 ; 75.311,69.428 v3(75.311,74.803)
  Top Layer w0.26: BZT1.1@86.233,111.705 86.233,111.724 86.503,111.994 v3@89.053,111.994 ; v3(89.073,112.014) v3@89.053,111.994 ; BZT2.1@101.854,104.703 101.854,104.745 101.584,105.015 U2.1@97.692,105.015 97.652,105.015 97.282,104.645 97.282,104.14 96.774,103.632 90.678,103.632 89.535,104.775 89.535,111.492 89.053,111.974 v3@89.053,111.994
  Top Layer w0.3: v2(75.438,63.246) 75.438,64.745 75.652,64.96
  Top Layer w1: VR1.1@43.434,111.322 43.469,111.287 48.352,111.287 D2.A@48.387,111.252 48.387,111.172 48.947,110.612 49.027,110.612 50.643,108.996 v4(53.624,108.996) ; 62.484,111.633 v4(61.214,111.633) 61.214,111.565 59.825,110.176 59.825,106.994 64.711,102.108 78.204,102.108 79.614,103.518 79.614,110.475 81.51,112.371 82.935,112.371 LED_TPS1.2@83.185,112.621 ; v4@81.431,114.375 LED_TPS1.2@83.185,112.621 ; BZT1.1@86.233,111.705 85.317,112.621 LED_TPS1.2@83.185,112.621
  Bottom Layer w0.254: R15.1@27.051,72.183 26.844,72.39 26.057,72.39 25.908,72.539 25.908,77.343 26.162,77.597 26.927,77.597 27.051,77.721 R13.1@27.051,77.771 ; 27.94,112.522 27.94,113.522 ; 29.787,109.629 30.593,108.822 ; 31.242,97.282 31.04,97.484 31.04,108.822 31.54,108.822 32.04,108.822 ; J2.42@45.339,45.847 J2.40@45.339,48.387 51.281,48.387 52.424,47.244 v2(67.691,47.244) ; C18.1@62.716,86.338 62.61,86.444 62.61,88.264 67.183,92.837 67.78,92.837 C11.1@68.498,92.12 v2@69.492,93.114 ; C22.2@62.738,74.537 65.024,74.537 65.835,73.726 74.234,73.726 v3(75.311,74.803) ; v2(69.596,93.472) 76.309,86.759 76.315,86.759 ; C13.2@71.777,61.192 71.819,61.192 72.984,62.357 v2(73.025,62.357) ; C25.2@76.188,61.722 C23.2@76.188,59.182 C26.2@76.188,56.896 76.2,56.884 76.2,55.626 v2(83.439,48.387) 84.293,49.241 95.031,49.241 98.806,45.466 PROGRAM1.1@98.806,45.212 ; C21.2@76.315,86.383 C21.2@76.315,86.233 C21.2@76.363,86.281 ; v2(77.597,86.106) 76.538,86.106 C21.2@76.363,86.281 ; v2(82.677,94.742) 82.677,91.682 80.599,89.604 R9.2@80.599,87.041 79.756,87.884 77.343,87.884 76.454,86.995 76.454,86.372 C21.2@76.363,86.281 ; v2(86.995,72.136) 87.884,72.136 88.265,72.517 C24.2@88.265,73.672 C19.2@90.424,73.672 90.574,73.672 91.221,73.025 96.266,73.025 98.552,75.311 v2(98.552,79.248) ; v3(100.711,103.378) 100.711,103.506 102.084,104.879 C7.2@102.084,105.029
  Bottom Layer w0.26: v3(89.073,112.014) 89.708,112.649 C9.2@90.702,112.649 90.677,112.674 90.677,115.926 C10.2@90.652,115.951
  Bottom Layer w0.3: v2(75.438,63.246) 75.534,63.15 75.534,62.526 76.188,61.872 C25.2@76.188,61.722 ; C7.2@102.084,105.029 102.09,105.035 102.09,107.436 C8.2@102.096,107.442
  Bottom Layer w1: 27.94,112.522 29.787,110.675 29.787,109.629 ; 32.04,108.822 40.934,108.822 VR1.1@43.434,111.322 ; v4(53.624,108.996) 53.573,109.048 53.573,109.363 53.467,109.469 C1.1@53.467,110.883 55.88,110.883 C2.1@56.007,111.01 56.308,111.01 56.703,111.405 58.703,111.405 58.928,111.63 R5.2@58.928,111.68 58.952,111.657 60.936,111.657 v4@60.96,111.633 ; C4.2@69.469,112.002 C5.2@72.711,112.002 73.074,112.002 73.21,111.866 75.26,111.866 R6.2@75.485,111.641 75.535,111.641 75.76,111.866 75.76,113.479 76.708,114.427 v4(80.899,114.427)
NetBT1_P: BT1.P MCU.6 | length 31.4
  Top Layer w0.254: MCU.6@72.482,81.946 70.485,83.944 70.485,86.299 77.658,93.472 90.043,93.472 91.059,94.488 91.059,96.517 BT1.P@91.186,96.644
NetC1_2: C1.2 C2.2 D1.2 R3.1 U1.3 | length 35.3
  Top Layer w0.7: 64.704,110.236 U1.3@64.704,111.494
  Top Layer w0.85: 64.704,108.861 64.704,110.236
  Top Layer w0.9: v4(61.214,107.569) 63.412,107.569 64.682,108.839
  Top Layer w1: v4(56.642,113.919) 58.349,113.919 D1.2@58.73,113.538
  Bottom Layer w1: v4(56.642,113.919) 56.642,113.846 56.007,113.211 C2.2@56.007,112.51 53.594,112.51 C1.2@53.467,112.383 53.467,115.65 R3.1@53.514,115.697 51.894,115.697 51.308,115.111 51.308,109.425 53.164,107.569 v4(61.214,107.569)
NetC3_1: C3.1 U1.6 | length 4.7
  Top Layer w0.8: v4@60.96,114.046 61.05,113.956 62.447,113.956 62.484,113.919
  Bottom Layer w0.254: 62.511,116.105 62.904,116.105 C3.1@63.004,116.205
  Bottom Layer w0.8: v4(61.214,114.046) 61.304,114.136 61.304,114.898 62.511,116.105
NetC3_2: C3.2 L1.1 U1.2 | length 25.7
  Top Layer w0.7: v4(61.214,109.601) 63.289,109.601 63.699,110.011 63.699,110.617 ; v4(66.294,116.561) 72.288,116.561 L1.1@73.66,115.189
  Bottom Layer w0.7: v4(61.214,109.601) 66.392,109.601 66.802,110.011 66.802,115.899 66.294,116.407 v4(66.294,116.561)
  Bottom Layer w0.8: C3.2@64.504,116.205 64.554,116.255 64.554,116.305 64.806,116.305 64.973,116.471 66.204,116.471 v4(66.294,116.561)
NetC6_1: C6.1 R1.1 R4.1 | length 6.2
  Bottom Layer w0.7: R1.1@72.44,105.918 72.463,105.941 75.414,105.941 R4.1@75.438,105.965 77.872,105.965 78.306,105.531 C6.1@78.456,105.531
NetC6_2: C6.2 R4.2 R6.1 U1.4 | length 21.3
  Top Layer w0.7: U1.4@64.704,113.804 66.409,113.804 v4(70.866,109.347)
  Bottom Layer w0.7: v4(70.866,109.347) 70.975,109.238 74.653,109.238 74.801,109.09 75.063,109.09 75.438,108.715 R4.2@75.438,108.665 76.822,108.665 78.306,107.181 78.306,107.031 C6.2@78.321,107.031 ; R6.1@78.185,111.641 78.321,111.506 C6.2@78.321,107.031 ; C6.2@78.456,107.031 C6.2@78.321,107.031
NetD1_1: D1.1 D2.C F1.2 VR1.2 | length 19.1
  Top Layer w1: F1.2@38.354,111.634 40.514,111.634 43.434,114.554 VR1.2@43.434,116.322 47.727,116.322 48.387,115.662 D2.C@48.387,115.582 51.336,115.582 53.03,113.888 D1.1@53.03,113.538
NetLED_AMS1_2: LED_AMS1.2 R7.1 | length 7.8
  Top Layer w0.254: R7.1@104.775,105.072 104.775,105.122 107.47,107.817 LED_AMS1.2@107.47,111.76
NetLED_TPS1_1: LED_TPS1.1 R2.1 | length 4.1
  Top Layer w1: LED_TPS1.1@83.185,109.121 83.558,108.748 R2.1@83.558,105.156
"NetmicroSD Module1_6": "microSD Module1.6" R_CS_mSD1.2 | length 3.1
  Top Layer w0.254: 31.242,84.582 34.163,84.582 R_CS_mSD1.2@34.29,84.455
NetPWM_LED1_1: PWM_LED1.1 R_PWM1.2 | length 4.3
  Top Layer w0.254: PWM_LED1.1@34.262,81.026 34.683,81.447 34.683,82.181 v2(35.306,82.804)
  Bottom Layer w0.254: v2(35.306,82.804) 35.449,82.661 35.957,82.661 R_PWM1.2@36.957,81.661
NetPWM_LED1_2: PWM_LED1.2 R13.2 | length 7.6
  Top Layer w0.254: v3(28.321,83.058) 30.099,83.058 30.607,82.55 30.607,81.181 PWM_LED1.2@30.762,81.026
  Bottom Layer w0.254: R13.2@27.051,80.471 27.051,82.55 27.44,82.939 28.202,82.939 v3(28.321,83.058)
NetPWM_LED2_1: PWM_LED2.1 R_PWM2.2 | length 6
  Top Layer w0.254: PWM_LED2.1@34.262,77.432 34.262,78.839 35.306,79.883 v2(36.703,79.883)
  Bottom Layer w0.254: v2(36.703,79.883) 36.703,78.504 R_PWM2.2@36.957,78.25
NetPWM_LED2_2: PWM_LED2.2 R14.2 | length 3.8
  Top Layer w0.254: R14.2@27.051,77.724 27.343,77.432 PWM_LED2.2@30.762,77.432
NetPWM_LED3_1: PWM_LED3.1 R_PWM3.2 | length 7.9
  Top Layer w0.254: PWM_LED3.1@34.262,73.985 34.417,73.83 v2(34.417,71.882)
  Bottom Layer w0.254: v2(34.417,71.882) 34.436,71.901 35.198,71.901 35.56,72.263 35.56,75.184 35.874,75.498 R_PWM3.2@36.957,75.498
NetPWM_LED3_2: PWM_LED3.2 R15.2 | length 5
  Top Layer w0.254: v2(28.702,75.184) 28.724,75.206 30.585,75.206 30.762,75.029 PWM_LED3.2@30.762,73.985
  Bottom Layer w0.254: R15.2@27.051,74.883 27.101,74.933 28.303,74.933 28.554,75.184 v2(28.702,75.184)
NetPWM_LED4_1: PWM_LED4.1 R_PWM4.2 | length 4.6
  Top Layer w0.254: PWM_LED4.1@34.262,70.866 v3(36.957,70.866)
  Bottom Layer w0.254: v3(36.957,70.866) R_PWM4.2@36.957,72.723
NetPWM_LED4_2: PWM_LED4.2 R16.2 | length 4.3
  Top Layer w0.254: R16.2@27.051,72.136 27.051,72.086 28.271,70.866 PWM_LED4.2@30.762,70.866
NetR3_2: R3.2 R5.1 U1.5 | length 10.6
  Top Layer w0.8: U1.5@63.753,114.129 63.753,115.952
  Top Layer w1: v4(61.179,116.596) 61.214,116.561 63.144,116.561 63.753,115.952
  Bottom Layer w1: R3.2@56.214,115.697 56.439,115.472 57.886,115.472 R5.1@58.928,114.43 ; R5.1@58.928,114.38 R5.1@58.928,114.43 ; v4@60.781,116.283 R5.1@58.928,114.43
NRST: C28.1 MCU.14 PROGRAM1.4 R8.1 S1.1 | length 78
  Top Layer w0.254: R8.1@67.639,45.529 66.358,45.529 65.659,46.228 65.659,49.276 66.536,50.153 C28.1@67.945,50.153 S1.1@70.19,50.153 ; v2(68.471,81.026) 68.471,80.878 68.744,80.605 68.744,80.028 MCU.14@69.654,79.118 ; v2(69.723,57.658) 69.723,57.51 69.942,57.292 69.942,50.402 S1.1@70.19,50.153 ; PROGRAM1.4@91.186,45.212 90.932,44.958 90.932,43.815 90.551,43.434 86.394,43.434 84.709,45.119 84.709,48.641 83.321,50.029 S1.1@79.049,50.029 S1.1@71.065,50.029 70.315,50.029 S1.1@70.19,50.153
  Bottom Layer w0.254: v2(68.471,81.026) 68.466,81.021 68.466,80.264 65.253,77.051 63.419,77.051 61.911,75.543 61.911,65.47 v2(69.723,57.658)
OSC32_IN: C12.2 MCU.8 Y2.4 | length 22.6
  Top Layer w0.254: C12.2@71.108,97.816 71.206,97.914 Y2.4@73.073,97.914 74.295,96.692 v2(74.295,96.647) ; MCU.8@71.775,81.239 70.811,82.204 70.565,82.204 68.95,83.818 68.943,83.825 68.869,83.9 68.869,84.502 69.985,86.102 70.031,86.487 v2(74.422,91.44)
  Bottom Layer w0.254: v2(74.295,96.647) 74.358,96.584 74.358,91.504 v2(74.422,91.44)
OSC32_OUT: C20.2 MCU.9 Y2.2 | length 22.7
  Top Layer w0.254: MCU.9@71.422,80.886 70.557,81.75 70.377,81.75 68.57,83.556 68.415,83.712 68.415,84.774 68.526,84.885 69.577,86.675 70.942,88.439 71.848,90.136 76.026,94.314 Y2.2@79.073,94.314 79.259,94.5 C20.2@81.153,94.5
OSC_IN: C11.2 MCU.12 Y1.2 | length 13.8
  Top Layer w0.254: Y1.2@69.629,88.828 67.961,87.161 67.961,83.524 68.835,82.649 69.71,81.775 69.71,80.495 70.361,79.844 MCU.12@70.361,79.825
  Bottom Layer w0.254: C11.2@67.437,91.059 67.437,91.039 69.629,88.848 Y1.2@69.629,88.828
OSC_OUT: C18.2 MCU.13 Y1.1 | length 11
  Top Layer w0.254: Y1.1@66.216,85.416 66.216,84.627 69.198,81.644 69.198,80.299 70.007,79.49 MCU.13@70.007,79.472
  Bottom Layer w0.254: C18.2@63.776,87.398 64.342,86.833 64.69,86.833 65.116,86.407 65.116,86.059 65.759,85.416 Y1.1@66.216,85.416
PA0: J2.15 MCU.22 R_PWM1.1 | length 31.7
  Top Layer w0.254: J2.15@42.799,78.867 43.876,79.944 46.609,79.944 49.275,77.278 65.837,77.278 MCU.22@66.825,76.29
  Bottom Layer w0.254: R_PWM1.1@39.243,81.661 40.64,81.661 41.529,80.772 41.529,79.121 41.783,78.867 J2.15@42.799,78.867
PA1: J2.16 MCU.23 R_PWM2.1 | length 29.1
  Top Layer w0.254: J2.16@45.339,78.867 45.577,78.629 46.466,78.629 48.271,76.824 65.584,76.824 MCU.23@66.472,75.936
  Bottom Layer w0.254: R_PWM2.1@39.243,78.25 41.268,78.25 41.728,77.79 44.262,77.79 J2.16@45.339,78.867
PA2: J2.17 MCU.24 R_PWM3.1 | length 28.4
  Top Layer w0.254: J2.17@42.799,76.327 43.876,77.404 46.609,77.404 47.643,76.37 65.331,76.37 MCU.24@66.118,75.582
  Bottom Layer w0.254: R_PWM3.1@39.243,75.498 41.97,75.498 J2.17@42.799,76.327
PA3: J2.18 MCU.25 R_PWM4.1 | length 28.5
  Top Layer w0.254: J2.18@45.339,76.327 45.647,76.327 46.293,75.681 65.312,75.681 MCU.25@65.765,75.229
  Bottom Layer w0.254: R_PWM4.1@39.243,72.723 40.259,72.723 41.306,73.77 41.306,73.817 42.442,74.953 43.965,74.953 J2.18@45.339,76.327
PA4: J2.19 MCU.28 | length 24.9
  Top Layer w0.254: J2.19@42.799,73.787 44.049,72.537 45.572,72.537 46.583,71.526 65.834,71.526 66.453,72.146 MCU.28@66.472,72.146